# KiCad board chonky.kicad_pcb
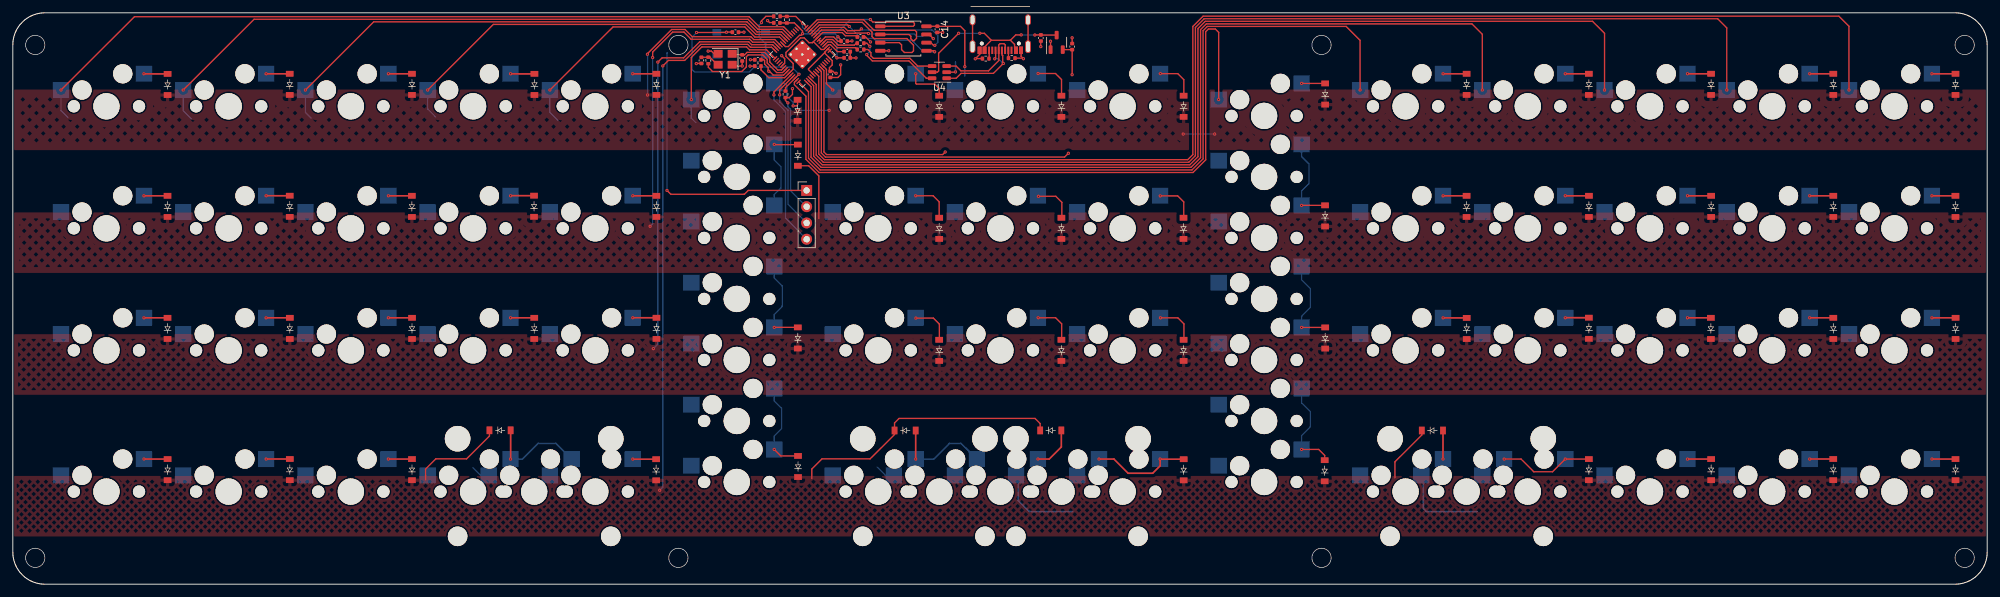
[diagram p0: board, top side]
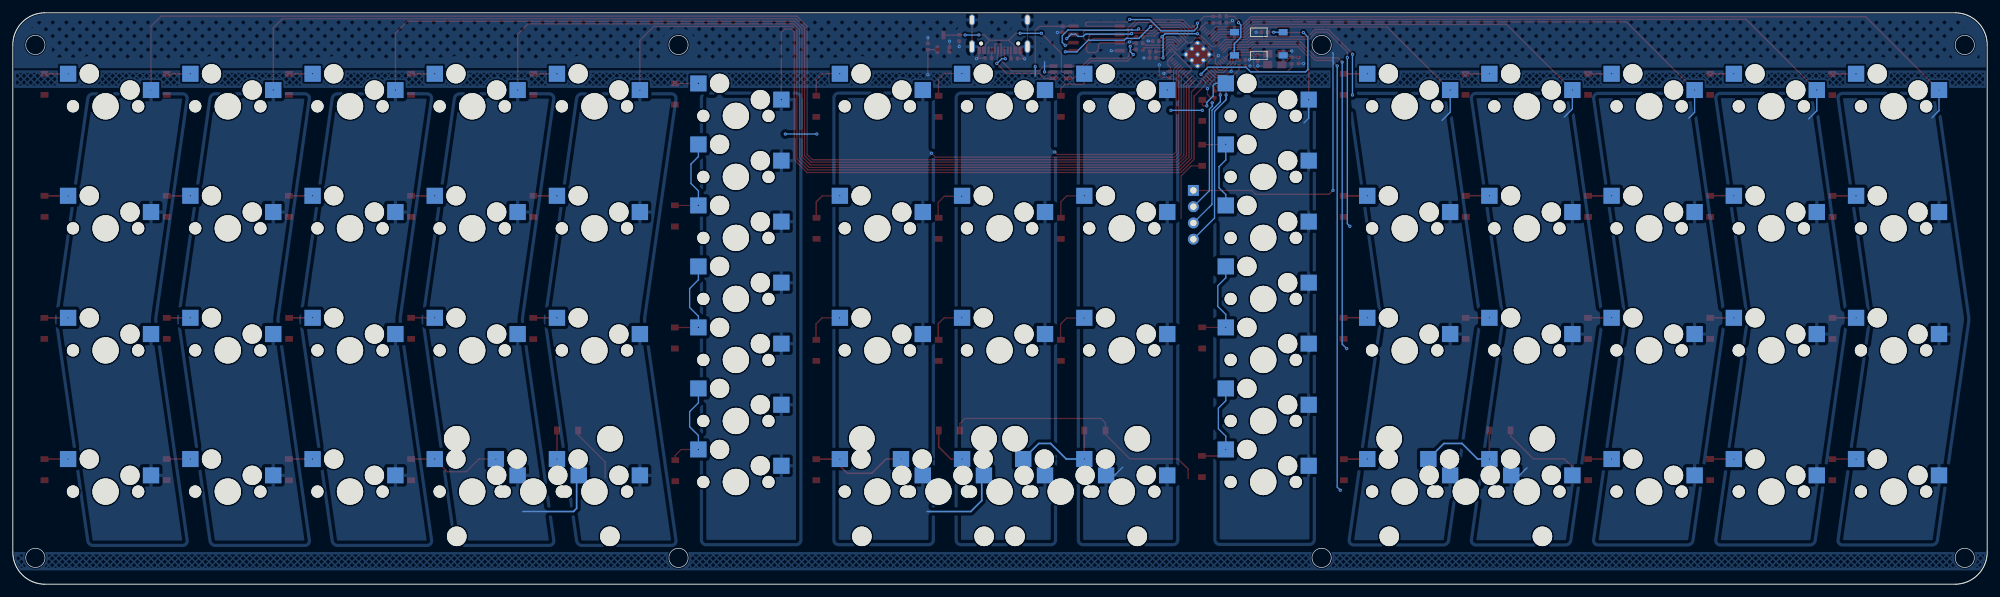
[diagram p1: board, bottom side, seen from below]

Outline 307.75 x 89.2 mm; copper layers: Top, Bottom. Coordinates in mm from the lower left corner of the outline.
Outline path: circle c3.49,84.18 r1.5 ; circle c3.49,4.11 r1.5 ; circle c103.74,84.18 r1.5 ; circle c103.74,4.11 r1.5 ; circle c203.99,84.18 r1.5 ; circle c203.99,4.11 r1.5 ; circle c304.24,84.18 r1.5 ; circle c304.24,4.11 r1.5 ; 0,84.2 0,5 0.01,4.74 0.03,4.49 0.06,4.24 0.1,3.99 0.16,3.75 0.23,3.52 0.3,3.28 0.39,3.06 0.49,2.83 0.6,2.62 0.73,2.41 0.86,2.21 0.99,2.01 1.14,1.82 1.3,1.64 1.47,1.47 1.64,1.3 1.82,1.14 2.01,0.99 2.21,0.86 2.41,0.73 2.62,0.6 2.83,0.49 3.06,0.39 3.28,0.3 3.52,0.23 3.75,0.16 3.99,0.1 4.24,0.06 4.49,0.03 4.74,0.01 5,0 302.75,0 303.01,0.01 303.26,0.03 303.51,0.06 303.76,0.1 304,0.16 304.23,0.23 304.47,0.3 304.69,0.39 304.92,0.49 305.13,0.6 305.34,0.73 305.54,0.86 305.74,0.99 305.93,1.14 306.11,1.3 306.28,1.47 306.45,1.64 306.61,1.82 306.76,2.01 306.89,2.21 307.02,2.41 307.15,2.62 307.26,2.83 307.36,3.06 307.45,3.28 307.52,3.52 307.59,3.75 307.65,3.99 307.69,4.24 307.72,4.49 307.74,4.74 307.75,5 307.75,84.2 307.74,84.46 307.72,84.71 307.69,84.96 307.65,85.21 307.59,85.45 307.52,85.68 307.45,85.92 307.36,86.14 307.26,86.36 307.15,86.58 307.02,86.79 306.89,86.99 306.76,87.19 306.61,87.38 306.45,87.56 306.28,87.73 306.11,87.9 305.93,88.06 305.74,88.2 305.54,88.34 305.34,88.47 305.13,88.59 304.92,88.71 304.69,88.81 304.47,88.9 304.23,88.97 304,89.04 303.76,89.1 303.51,89.14 303.26,89.17 303.01,89.19 302.75,89.2 5,89.2 4.74,89.19 4.49,89.17 4.24,89.14 3.99,89.1 3.75,89.04 3.52,88.97 3.28,88.9 3.06,88.81 2.83,88.71 2.62,88.59 2.41,88.47 2.21,88.34 2.01,88.2 1.82,88.06 1.64,87.9 1.47,87.73 1.3,87.56 1.14,87.38 0.99,87.19 0.86,86.99 0.73,86.79 0.6,86.58 0.49,86.36 0.39,86.14 0.3,85.92 0.23,85.68 0.16,85.45 0.1,85.21 0.06,84.96 0.03,84.71 0.01,84.46 0,84.2
Stack: Top 0.035mm / dielectric 1.51mm FR4 er 4.5 / Bottom 0.035mm

## Placement (name value [footprint] x y rotation side)
C1  27pF  [C_0402_1005Metric]  113.69 82.16 90 top
C2  27pF  [C_0402_1005Metric]  107.33 81.77 90 top
C3  100nF  [C_0402_1005Metric]  112.63 86.17 0 top
C4  100nF  [C_0402_1005Metric]  116.13 80.87 180 top
C5  100nF  [C_0402_1005Metric]  132.11 85.43 0 top
C6  1uF  [C_0402_1005Metric]  130.05 83.14 0 top
C7  1uF  [C_0402_1005Metric]  130.05 82.17 0 top
C8  100nF  [C_0402_1005Metric]  127.43 79.58 270 top
C9  100nF  [C_0402_1005Metric]  129.58 84.77 0 top
C10  100nF  [C_0402_1005Metric]  119.09 87.63 180 top
C11  100nF  [C_0402_1005Metric]  116.13 81.87 180 top
C12  1uF  [C_0402_1005Metric]  160.24 85.27 270 top
C13  1uF  [C_0402_1005Metric]  165.12 83.92 90 top
C14  100nF  [C_0402_1005Metric]  144.11 86.62 270 top
D1  D  [D_SOD-123]  24.12 78.01 90 top
D2  D  [D_SOD-123]  24.11 58.98 90 top
D3  D  [D_SOD-123]  24.11 39.93 90 top
D4  D  [D_SOD-123]  24.12 17.88 90 top
D5  D  [D_SOD-123]  43.16 78.03 90 top
D6  D  [D_SOD-123]  43.16 58.99 90 top
D7  D  [D_SOD-123]  43.17 39.93 90 top
D8  D  [D_SOD-123]  43.17 17.89 90 top
D9  D  [D_SOD-123]  62.21 78.03 90 top
D10  D  [D_SOD-123]  62.2 58.98 90 top
D11  D  [D_SOD-123]  62.22 39.93 90 top
D12  D  [D_SOD-123]  62.21 17.88 90 top
D13  D  [D_SOD-123]  81.3 78.02 90 top
D14  D  [D_SOD-123]  81.24 59 90 top
D15  D  [D_SOD-123]  81.27 39.93 90 top
D16  D  [D_SOD-123]  75.94 24.02 0 top
D17  D  [D_SOD-123]  100.31 78.03 90 top
D18  D  [D_SOD-123]  100.31 58.98 90 top
D19  D  [D_SOD-123]  100.32 39.94 90 top
D20  D  [D_SOD-123]  100.27 17.86 90 top
D21  D  [D_SOD-123]  122.32 73.97 90 top
D22  D  [D_SOD-123]  122.36 66.97 90 top
D23  D  [D_SOD-123]  122.35 38.44 90 top
D24  D  [D_SOD-123]  122.39 18.37 90 top
D25  D  [D_SOD-123]  144.39 74.61 90 top
D26  D  [D_SOD-123]  144.39 55.56 90 top
D27  D  [D_SOD-123]  144.39 36.51 90 top
D28  D  [D_SOD-123]  139.08 23.99 0 top
D29  D  [D_SOD-123]  163.44 74.61 90 top
D30  D  [D_SOD-123]  163.44 55.56 90 top
D31  D  [D_SOD-123]  163.44 36.51 90 top
D32  D  [D_SOD-123]  161.78 24 0 top
D33  D  [D_SOD-123]  182.49 74.61 90 top
D34  D  [D_SOD-123]  182.47 55.56 90 top
D35  D  [D_SOD-123]  182.49 36.51 90 top
D36  D  [D_SOD-123]  182.5 17.86 90 top
D37  D  [D_SOD-123]  204.55 76.52 90 top
D38  D  [D_SOD-123]  204.54 57.49 90 top
D39  D  [D_SOD-123]  204.56 38.43 90 top
D40  D  [D_SOD-123]  204.48 17.71 90 top
D41  D  [D_SOD-123]  226.61 78.03 90 top
D42  D  [D_SOD-123]  226.6 58.98 90 top
D43  D  [D_SOD-123]  226.62 39.92 90 top
D44  D  [D_SOD-123]  221.27 23.99 0 top
D45  D  [D_SOD-123]  245.66 78.03 90 top
D46  D  [D_SOD-123]  245.67 58.98 90 top
D47  D  [D_SOD-123]  245.66 39.95 90 top
D48  D  [D_SOD-123]  245.66 17.88 90 top
D49  D  [D_SOD-123]  264.71 78.03 90 top
D50  D  [D_SOD-123]  264.72 58.98 90 top
D51  D  [D_SOD-123]  264.68 39.93 90 top
D52  D  [D_SOD-123]  264.72 17.88 90 top
D53  D  [D_SOD-123]  283.76 78.03 90 top
D54  D  [D_SOD-123]  283.76 58.98 90 top
D55  D  [D_SOD-123]  283.76 39.93 90 top
D56  D  [D_SOD-123]  283.75 17.89 90 top
D57  D  [D_SOD-123]  302.81 78.03 90 top
D58  D  [D_SOD-123]  302.8 58.98 90 top
D59  D  [D_SOD-123]  302.82 39.93 90 top
D60  D  [D_SOD-123]  302.81 17.88 90 top
J1  BL_CONN  [PinHeader_1x04_P2.54mm_Vertical]  123.73 61.47 0 top
J2  USB_C_Receptacle_USB2.0  [USB C-31-M-12]  153.92 84.41 180 top
R1  1k  [R_0402_1005Metric]  120.43 76.47 90 top
R2  1k  [R_0402_1005Metric]  108.41 81.76 270 top
R3  27R  [R_0402_1005Metric]  132.13 84.45 0 top
R4  27R  [R_0402_1005Metric]  132.13 83.47 0 top
R5  1k  [R_0402_1005Metric]  119.1 88.65 180 top
R6  10k  [R_0402_1005Metric]  120.64 88.12 270 top
R7  5.1k  [R_0402_1005Metric]  155.7 82.12 0 top
R8  5.1k  [R_0402_1005Metric]  151.64 82.05 180 top
SW1  SW_Push  [Micro_Push_Button_3x6x2.5mm]  113.53 86.17 180 bottom
SW2  SW_Push  [CherryMX_Hotswap]  14.59 74.61 0 top
SW3  SW_Push  [CherryMX_Hotswap]  14.59 55.56 0 top
SW4  SW_Push  [CherryMX_Hotswap]  14.59 36.51 0 top
SW5  SW_Push  [CherryMX_Hotswap]  14.59 14.46 0 top
SW6  SW_Push  [CherryMX_Hotswap]  33.64 74.61 0 top
SW7  SW_Push  [CherryMX_Hotswap]  33.64 55.56 0 top
SW8  SW_Push  [CherryMX_Hotswap]  33.64 36.51 0 top
SW9  SW_Push  [CherryMX_Hotswap]  33.64 14.46 0 top
SW10  SW_Push  [CherryMX_Hotswap]  52.69 74.61 0 top
SW11  SW_Push  [CherryMX_Hotswap]  52.69 55.56 0 top
SW12  SW_Push  [CherryMX_Hotswap]  52.69 36.51 0 top
SW13  SW_Push  [CherryMX_Hotswap]  52.69 14.46 0 top
SW14  SW_Push  [CherryMX_Hotswap]  71.74 74.61 0 top
SW15  SW_Push  [CherryMX_Hotswap]  71.74 55.56 0 top
SW16  SW_Push  [CherryMX_Hotswap]  71.74 36.51 0 top
SW17  SW_Push  [CherryMX_Hotswap]  71.74 14.46 0 top
SW18  SW_Push  [CherryMX_Hotswap_2u_stabs]  81.27 14.46 0 top
SW19  SW_Push  [CherryMX_Hotswap]  90.79 74.61 0 top
SW20  SW_Push  [CherryMX_Hotswap]  90.79 55.56 0 top
SW21  SW_Push  [CherryMX_Hotswap]  90.79 36.51 0 top
SW22  SW_Push  [CherryMX_Hotswap]  90.79 14.46 0 top
SW23  SW_Push  [CherryMX_Hotswap]  112.84 73.11 0 top
SW24  SW_Push  [CherryMX_Hotswap]  112.84 54.06 0 top
SW25  SW_Push  [CherryMX_Hotswap]  112.84 35.01 0 top
SW26  SW_Push  [CherryMX_Hotswap]  112.84 15.96 0 top
SW27  SW_Push  [CherryMX_Hotswap]  134.89 74.61 0 top
SW28  SW_Push  [CherryMX_Hotswap]  134.89 55.56 0 top
SW29  SW_Push  [CherryMX_Hotswap]  134.89 36.51 0 top
SW30  SW_Push  [CherryMX_Hotswap]  134.89 14.46 0 top
SW31  SW_Push  [CherryMX_Hotswap_2u_stabs]  144.42 14.46 0 top
SW32  SW_Push  [CherryMX_Hotswap]  153.94 74.61 0 top
SW33  SW_Push  [CherryMX_Hotswap]  153.94 55.56 0 top
SW34  SW_Push  [CherryMX_Hotswap]  153.94 36.51 0 top
SW35  SW_Push  [CherryMX_Hotswap]  153.94 14.46 0 top
SW36  SW_Push  [CherryMX_Hotswap]  172.99 74.61 0 top
SW37  SW_Push  [CherryMX_Hotswap]  172.99 55.56 0 top
SW38  SW_Push  [CherryMX_Hotswap]  172.99 36.51 0 top
SW39  SW_Push  [CherryMX_Hotswap]  172.99 14.46 0 top
SW40  SW_Push  [CherryMX_Hotswap_2u_stabs]  163.47 14.46 0 top
SW41  SW_Push  [Micro_Push_Button_3x6x2.5mm]  113.53 82.55 0 bottom
SW42  SW_Push  [CherryMX_Hotswap]  195.04 73.11 0 top
SW43  SW_Push  [CherryMX_Hotswap]  195.04 54.06 0 top
SW44  SW_Push  [CherryMX_Hotswap]  195.04 35.01 0 top
SW45  SW_Push  [CherryMX_Hotswap]  195.04 15.96 0 top
SW46  SW_Push  [CherryMX_Hotswap]  217.09 74.61 0 top
SW47  SW_Push  [CherryMX_Hotswap]  217.09 55.56 0 top
SW48  SW_Push  [CherryMX_Hotswap]  217.09 36.51 0 top
SW49  SW_Push  [CherryMX_Hotswap]  217.09 14.46 0 top
SW50  SW_Push  [CherryMX_Hotswap]  236.14 74.61 0 top
SW51  SW_Push  [CherryMX_Hotswap]  236.14 55.56 0 top
SW52  SW_Push  [CherryMX_Hotswap]  236.14 36.51 0 top
SW53  SW_Push  [CherryMX_Hotswap]  236.14 14.46 0 top
SW54  SW_Push  [CherryMX_Hotswap_2u_stabs]  226.62 14.46 0 top
SW55  SW_Push  [CherryMX_Hotswap]  255.19 74.61 0 top
SW56  SW_Push  [CherryMX_Hotswap]  255.19 55.56 0 top
SW57  SW_Push  [CherryMX_Hotswap]  255.19 36.51 0 top
SW58  SW_Push  [CherryMX_Hotswap]  255.19 14.46 0 top
SW59  SW_Push  [CherryMX_Hotswap]  274.24 74.61 0 top
SW60  SW_Push  [CherryMX_Hotswap]  274.24 55.56 0 top
SW61  SW_Push  [CherryMX_Hotswap]  274.24 36.51 0 top
SW62  SW_Push  [CherryMX_Hotswap]  274.24 14.46 0 top
SW63  SW_Push  [CherryMX_Hotswap]  293.29 74.61 0 top
SW64  SW_Push  [CherryMX_Hotswap]  293.29 55.56 0 top
SW65  SW_Push  [CherryMX_Hotswap]  293.29 36.51 0 top
SW66  SW_Push  [CherryMX_Hotswap]  293.29 14.46 0 top
SW67  SW_Push  [CherryMX_Hotswap_2u_vert]  112.84 63.58 180 top
SW68  SW_Push  [CherryMX_Hotswap_2u_vert]  112.84 44.53 180 top
SW69  SW_Push  [CherryMX_Hotswap_2u_vert]  112.84 25.48 180 top
SW70  SW_Push  [CherryMX_Hotswap_2u_vert]  195.04 63.58 180 top
SW71  SW_Push  [CherryMX_Hotswap_2u_vert]  195.04 44.53 180 top
SW72  SW_Push  [CherryMX_Hotswap_2u_vert]  195.04 25.48 180 top
U1  RP2040  [RP2040-QFN-56]  123.07 82.69 315 top
U2  XC6206PxxxMR  [SOT-23-3]  162.7 84.59 90 top
U3  W25Q128JVS  [SOIC-8_5.23x5.23mm_P1.27mm]  138.81 85.18 0 top
U4  USBLC6-2SC6  [SOT-23-6]  144.42 79.93 180 top
Y1  Crystal_GND24_Small  [Crystal_SMD_3225-4Pin_3.2x2.5mm]  111.03 81.95 180 top

## Library data of the parts
C1-C14 = -: Description: Unpolarized capacitor, small symbol
D1-D60 = -: Description: Diode, small symbol; Sim.Pins: 1=K 2=A
J1 = -: Description: Generic connector, single row, 01x04, script generated (kicad-library-utils/schlib/autogen/connector/)
J2 = -: Description: USB 2.0-only Type-C Receptacle connector
R1-R8 = -: Description: Resistor, small symbol
SW1-SW72 = -: Description: Push button switch, generic, two pins
U2 = -: Description: Positive 60-250mA Low Dropout Regulator, Fixed Output, SOT-23
U3 = -: Description: 128Mb Serial Flash Memory, Standard/Dual/Quad SPI, SOIC-8
U4 = -: Description: Very low capacitance ESD protection diode, 2 data-line, SOT-23-6
Y1 = -: Description: Four pin crystal, GND on pins 2 and 4, small symbol

## Footprints (pads in the part's own frame, mm; a bottom-side part is the same pattern mirrored in y, then rotated)
C_0402_1005Metric
  rrect 0.56x0.62 smd: 1(-0.48,0) 2(0.48,0)
CherryMX_Hotswap
  round 1.9 hole 1.9 unplated: (-5.08,0) (5.08,0)
  round 3 hole 3 unplated: (-3.81,2.54) (2.54,5.08)
  round 4.1 hole 4.1 unplated: (0,0)
  rect 2.55x2.5 smd far side: 1(-7.085,2.54) 2(5.842,5.08)
CherryMX_Hotswap_2u_stabs
  round 3.988 hole 3.988 unplated: (-11.938,8.255) (11.938,8.255)
  round 3.048 hole 3.048 unplated: (-11.938,-6.985) (11.938,-6.985)
  round 1.9 hole 1.9 unplated: (-5.08,0) (5.08,0)
  round 3 hole 3 unplated: (-3.81,2.54) (2.54,5.08)
  round 4.1 hole 4.1 unplated: (0,0)
  rect 2.55x2.5 smd far side: 1(-7.085,2.54) 2(5.842,5.08)
CherryMX_Hotswap_2u_vert
  round 1.9 hole 1.9 unplated: (-5.08,0) (5.08,0)
  round 3 hole 3 unplated: (-2.54,-5.08) (3.81,-2.54)
  round 4.1 hole 4.1 unplated: (0,0)
  rect 2.55x2.5 smd far side: 1(7.085,-2.54) 2(-5.842,-5.08)
Crystal_SMD_3225-4Pin_3.2x2.5mm
  rect 1.4x1.2 smd: 1(-1.1,-0.85) 2(1.1,-0.85) 3(1.1,0.85) 4(-1.1,0.85)
D_SOD-123
  rect 0.9x1.2 smd: 1(-1.65,0) 2(1.65,0)
Micro_Push_Button_3x6x2.5mm
  rect 1.4x1 smd: 1(-3.8,0) 2(3.8,0)
PinHeader_1x04_P2.54mm_Vertical
  rect 1.7x1.7 hole 1: 1(0,0)
  oval 1.7x1.7 hole 1: 2(0,-2.54) 3(0,-5.08) 4(0,-7.62)
R_0402_1005Metric
  rrect 0.54x0.64 smd: 1(-0.51,0) 2(0.51,0)
RP2040-QFN-56
  rrect 1.084x1.084 smd: (-0.637,0.637) (-0.637,-0.637) (0.637,0.637) (0.637,-0.637)
  rrect 0.875x0.2 smd: 1(-3.438,2.6) 2(-3.438,2.2) 3(-3.438,1.8) 4(-3.438,1.4) 5(-3.438,1) 6(-3.438,0.6) 7(-3.438,0.2) 8(-3.438,-0.2) 9(-3.438,-0.6) 10(-3.438,-1) 11(-3.438,-1.4) 12(-3.438,-1.8) 13(-3.438,-2.2) 14(-3.438,-2.6) 29(3.438,-2.6) 30(3.438,-2.2) 31(3.438,-1.8) 32(3.438,-1.4) 33(3.438,-1) 34(3.438,-0.6) 35(3.438,-0.2) 36(3.438,0.2) 37(3.438,0.6) 38(3.438,1) 39(3.438,1.4) 40(3.438,1.8) 41(3.438,2.2) 42(3.438,2.6)
  rrect 0.2x0.875 smd: 15(-2.6,-3.438) 16(-2.2,-3.438) 17(-1.8,-3.438) 18(-1.4,-3.438) 19(-1,-3.438) 20(-0.6,-3.438) 21(-0.2,-3.438) 22(0.2,-3.438) 23(0.6,-3.438) 24(1,-3.438) 25(1.4,-3.438) 26(1.8,-3.438) 27(2.2,-3.438) 28(2.6,-3.438) 43(2.6,3.438) 44(2.2,3.438) 45(1.8,3.438) 46(1.4,3.438) 47(1,3.438) 48(0.6,3.438) 49(0.2,3.438) 50(-0.2,3.438) 51(-0.6,3.438) 52(-1,3.438) 53(-1.4,3.438) 54(-1.8,3.438) 55(-2.2,3.438) 56(-2.6,3.438)
  round 0.7 hole 0.35: 57(-1.275,1.275) 57(-1.275,0) 57(-1.275,-1.275) 57(0,1.275) 57(0,0) 57(0,-1.275) 57(1.275,1.275) 57(1.275,0) 57(1.275,-1.275)
  rrect 3.2x3.2 smd: 57(0,0)
SOIC-8_5.23x5.23mm_P1.27mm
  rrect 1.6x0.6 smd: 1(-3.6,1.905) 2(-3.6,0.635) 3(-3.6,-0.635) 4(-3.6,-1.905) 5(3.6,-1.905) 6(3.6,-0.635) 7(3.6,0.635) 8(3.6,1.905)
SOT-23-3
  rrect 1.325x0.6 smd: 1(-1.137,0.95) 2(-1.137,-0.95) 3(1.137,0)
SOT-23-6
  rrect 1.325x0.6 smd: 1(-1.137,0.95) 2(-1.137,0) 3(-1.137,-0.95) 4(1.137,-0.95) 5(1.137,0) 6(1.137,0.95)
USB C-31-M-12
  round 0.6 hole 0.6 unplated: (-2.89,0) (2.89,0)
  rect 0.6x1.15 smd: A1(-3.225,1.07) A4(-2.45,1.07) A9(2.45,1.07) A12(3.225,1.07) B1(3.225,1.07) B4(2.45,1.07) B9(-2.45,1.07) B12(-3.225,1.07)
  rect 0.3x1.15 smd: A5(-1.25,1.07) A6(-0.25,1.07) A7(0.25,1.07) A8(1.25,1.07) B5(1.75,1.07) B6(0.75,1.07) B7(-0.75,1.07) B8(-1.75,1.07)
  oval 0.9x2 hole 0.6x1.7: S1(-4.325,0.5) S1(4.325,0.5)
  oval 0.9x1.7 hole 0.6x1.4: S1(-4.325,-3.68) S1(4.325,-3.68)

## Nets
+1V1: C4.1 C5.1 C6.1 U1.23 U1.45 U1.50
+3.3V: C7.1 C8.1 C9.1 C10.1 C11.1 C13.1 C14.1 J1.2 R1.1 R6.2 U1.1 U1.10 U1.22 U1.33 U1.42 U1.43 U1.44 U1.48 U1.49 U2.2 U3.8
GND: C1.1 C2.1 C3.2 C4.2 C5.2 C6.2 C7.2 C8.2 C9.2 C10.2 C11.2 C12.2 C13.2 C14.2 J1.1 J2.A1 J2.A12 J2.B1 J2.B12 J2.S1 R7.2 R8.2 SW1.1 SW41.1 U1.19 U1.57 U2.1 U3.4 U4.2 Y1.2 Y1.4
VBUS: C12.1 J2.A4 J2.A9 J2.B4 J2.B9 U2.3 U4.5
Col_0: SW2.1 SW3.1 SW4.1 SW5.1 U1.5
Col_1: SW6.1 SW7.1 SW8.1 SW9.1 U1.6
Col_2: SW10.1 SW11.1 SW12.1 SW13.1 U1.7
Col_3: SW14.1 SW15.1 SW16.1 SW17.1 SW18.1 U1.8
Col_4: SW19.1 SW20.1 SW21.1 SW22.1 U1.9
Col_5: SW23.1 SW24.1 SW25.1 SW26.1 SW67.1 SW68.1 SW69.1 U1.15
Col_6: SW27.1 SW28.1 SW29.1 SW30.1 SW31.1 U1.38
Col_7: SW32.1 SW33.1 SW34.1 SW35.1 U1.37
Col_8: SW36.1 SW37.1 SW38.1 SW39.1 SW40.1 U1.36
Col_9: SW42.1 SW43.1 SW44.1 SW45.1 SW70.1 SW71.1 SW72.1 U1.27
Col_10: SW46.1 SW47.1 SW48.1 SW49.1 U1.28
Col_11: SW50.1 SW51.1 SW52.1 SW53.1 SW54.1 U1.29
Col_12: SW55.1 SW56.1 SW57.1 SW58.1 U1.30
Col_13: SW59.1 SW60.1 SW61.1 SW62.1 U1.31
Col_14: SW63.1 SW64.1 SW65.1 SW66.1 U1.34
D+: R3.2 U4.6
D-: R4.2 U4.4
QSPI_SCLK: U1.52 U3.6
QSPI_SD0: U1.53 U3.5
QSPI_SD1: U1.55 U3.2
QSPI_SD2: U1.54 U3.3
QSPI_SD3: U1.51 U3.7
QSPI_SS: R5.1 R6.1 U1.56 U3.1
Row_0: D1.1 D5.1 D9.1 D13.1 D17.1 D21.1 D25.1 D29.1 D33.1 D37.1 D41.1 D45.1 D49.1 D53.1 D57.1 U1.11
Row_1: D2.1 D6.1 D10.1 D14.1 D18.1 D22.1 D26.1 D30.1 D34.1 D38.1 D42.1 D46.1 D50.1 D54.1 D58.1 U1.12
Row_2: D3.1 D7.1 D11.1 D15.1 D19.1 D23.1 D27.1 D31.1 D35.1 D39.1 D43.1 D47.1 D51.1 D55.1 D59.1 U1.13
Row_3: D4.1 D8.1 D12.1 D16.1 D20.1 D24.1 D28.1 D32.1 D36.1 D40.1 D44.1 D48.1 D52.1 D56.1 D60.1 U1.14
Net-(C2-Pad2): C2.2 R2.1 Y1.3
Net-(D1-A): D1.2 SW2.2
Net-(D2-A): D2.2 SW3.2
Net-(D3-A): D3.2 SW4.2
Net-(D4-A): D4.2 SW5.2
Net-(D5-A): D5.2 SW6.2
Net-(D6-A): D6.2 SW7.2
Net-(D7-A): D7.2 SW8.2
Net-(D8-A): D8.2 SW9.2
Net-(D9-A): D9.2 SW10.2
Net-(D10-A): D10.2 SW11.2
Net-(D11-A): D11.2 SW12.2
Net-(D12-A): D12.2 SW13.2
Net-(D13-A): D13.2 SW14.2
Net-(D14-A): D14.2 SW15.2
Net-(D15-A): D15.2 SW16.2
Net-(D16-A): D16.2 SW17.2 SW18.2
Net-(D17-A): D17.2 SW19.2
Net-(D18-A): D18.2 SW20.2
Net-(D19-A): D19.2 SW21.2
Net-(D20-A): D20.2 SW22.2
Net-(D21-A): D21.2 SW23.2
Net-(D22-A): D22.2 SW24.2 SW67.2
Net-(D23-A): D23.2 SW25.2 SW68.2
Net-(D24-A): D24.2 SW26.2 SW69.2
Net-(D25-A): D25.2 SW27.2
Net-(D26-A): D26.2 SW28.2
Net-(D27-A): D27.2 SW29.2
Net-(D28-A): D28.2 SW30.2 SW31.2
Net-(D29-A): D29.2 SW32.2
Net-(D30-A): D30.2 SW33.2
Net-(D31-A): D31.2 SW34.2
Net-(D32-A): D32.2 SW35.2
Net-(D33-A): D33.2 SW36.2
Net-(D34-A): D34.2 SW37.2
Net-(D35-A): D35.2 SW38.2
Net-(D36-A): D36.2 SW39.2 SW40.2
Net-(D37-A): D37.2 SW42.2
Net-(D38-A): D38.2 SW43.2 SW70.2
Net-(D39-A): D39.2 SW44.2 SW71.2
Net-(D40-A): D40.2 SW45.2 SW72.2
Net-(D41-A): D41.2 SW46.2
Net-(D42-A): D42.2 SW47.2
Net-(D43-A): D43.2 SW48.2
Net-(D44-A): D44.2 SW49.2
Net-(D45-A): D45.2 SW50.2
Net-(D46-A): D46.2 SW51.2
Net-(D47-A): D47.2 SW52.2
Net-(D48-A): D48.2 SW53.2 SW54.2
Net-(D49-A): D49.2 SW55.2
Net-(D50-A): D50.2 SW56.2
Net-(D51-A): D51.2 SW57.2
Net-(D52-A): D52.2 SW58.2
Net-(D53-A): D53.2 SW59.2
Net-(D54-A): D54.2 SW60.2
Net-(D55-A): D55.2 SW61.2
Net-(D56-A): D56.2 SW62.2
Net-(D57-A): D57.2 SW63.2
Net-(D58-A): D58.2 SW64.2
Net-(D59-A): D59.2 SW65.2
Net-(D60-A): D60.2 SW66.2
Net-(J1-Pin_3): J1.3 U1.25
Net-(J1-Pin_4): J1.4 U1.24
Net-(J2-CC1): J2.A5 R7.1
Net-(J2-CC2): J2.B5 R8.1
Net-(J2-D+-PadA6): J2.A6 J2.B6 U4.1
Net-(J2-D--PadA7): J2.A7 J2.B7 U4.3
Net-(R5-Pad2): R5.2 SW41.2
Net-(U1-RUN): C3.1 R1.2 SW1.2 U1.26
Net-(U1-USB_DM): R4.1 U1.46
Net-(U1-USB_DP): R3.1 U1.47
Net-(U1-XIN): C1.2 U1.20 Y1.1
Net-(U1-XOUT): R2.2 U1.21

Pads without a net: J2 A8 B8; U1 2 3 4 16 17 18 32 35 39 40 41

## Via types
v1: diameter 0.5, hole 0.2, Top to Bottom, 141 vias

## Routing (per net, layer and track width the routed paths; a pad name or vN(x,y) marks a point on that pad's centre or on a via; arc(x,y) is an arc through that point)
+1V1: length 29.1
  Top w0.2: C5.1 131.45,85.61 129.78,85.61 129.28,86.11 126.21,86.11 U1.50 124.79,84.69 ; C4.1 116.61,80.29 117.83,79.07 120.3,79.07 U1.23 121.63,80.41 121.63,81.29 120.51,82.41 120.51,83.01 122.78,85.28 123.35,85.28 124.1,84.53 124.63,84.53 124.79,84.69 ; 124.79,84.69 126.01,83.47 126.4,83.47 U1.45 127.15,84.23 127.44,84.23 128.53,83.14 C6.1
+3.3V: length 81.4
  Top w0.2: 142.44,87.09 143.81,87.09 143.81,87.1 143.82,87.08 147.71,87.08 148.38,86.41 v1(148.38,80.79) ; U1.49 U1.48 126.66,85.43 127.95,85.43 128.63,84.74 129.1,84.74 129.1,84.97 v1(128.61,85.46) ; v1(120.81,75.14) 120.43,75.52 R1.1 121.02,75.96 121.53,76.46 v1(121.53,77.36) ; C10.1 121.82,87.63 U1.1 123.09,86.35 v1(123.09,85.93) 122.84,85.68 122.62,85.68 120.87,83.93 120.42,83.93 U1.10 ; 126.57,83 126.57,83.07 U1.44 v1(128.46,82.17) C7.1 ; 126.57,83 124.02,80.46 124.02,80.33 U1.33 ; 126.57,83 126.57,82.88 U1.42 127.72,81.72 127.72,81.07 127.28,80.63 127.28,80.06 127.84,80.06 128.15,79.75 ; U1.22 120.14,79.47 118.53,79.47 117.93,80.07 v1(117.83,80.07) 117.83,80.17 117.73,80.27 117.73,80.64 117.18,81.19 117.18,81.72 117.03,81.87 C11.1 ; v1(165.11,79.54) 165.12,79.55 C13.1 165.12,83.45 U2.2
  Bottom w0.2: v1(120.81,75.14) 120.81,74.58 121.23,74.15 121.23,61.43 J1.2 ; v1(123.09,85.93) 128.15,85.93 v1(128.61,85.46) 128.46,85.31 v1(128.46,82.17) ; v1(148.38,80.79) 148.38,79.31
  vias: v1(128.33,79.75)
GND: length 84.5
  Top w0.2: 107.55,81.3 106.56,81.3 v1(106.53,81.27) ; U2.1 161.75,84.75 v1(161.74,84.76) ; Y1.4 112.34,80.89 v1(113.7,80.89) 113.69,80.9 C1.1 ; v1(129.03,81.07) 129.03,79.53 128.6,79.1 127.28,79.1 ; 143.81,86.14 v1(144.94,86.14) ; J2.S1 J2.S1 ; 110.16,82.65 109.45,82.65 108.88,83.22 v1(108.38,83.22) ; v1(101.97,61.47) 102.57,60.87 114.03,60.87 114.63,61.47 J1.1 ; U1.19 120.31,81.35 120.31,82.03 v1(119.84,82.5) ; 160.22,84.77 160.22,83.93 ; 150.72,83.4 150.72,82.72 v1(150.02,82.02) 150.05,82.05 R8.2 ; 113.11,86.17 v1(113.96,86.17) ; v1(131.42,82.15) 130.55,82.15 C7.2 C6.2 ; C4.2 v1(114.91,80.87) ; 130.06,84.74 130.72,84.74 v1(130.79,84.81) ; v1(136.53,83.28) 136.52,83.27 135.28,83.27 ; 118.61,87.67 117.95,87.67 v1(117.64,87.98) ; J2.S1 J2.S1 ; U4.2 146.89,79.93 v1(146.93,79.97) ; v1(165.11,85.3) 165.12,85.29 C13.2 ; C11.2 v1(114.97,81.87) ; 157.17,83.4 157.17,82.39 v1(157.52,82.03) 157.43,82.12 R7.2 ; C5.2 132.91,85.43 v1(133.69,84.65)
  Bottom w0.2: v1(146.93,79.97) 146.93,81.57 ; v1(101.97,61.47) 101.97,82.9 102.03,82.97
  vias: v1(160.23,83.92)
VBUS: length 28.2
  Top w0.2: v1(150.73,86) 151.42,86 152.51,84.91 ; C12.1 159.32,85.75 v1(159.3,85.73) ; 156.39,83.4 156.14,83.65 156.14,84.27 155.5,84.91 ; 152.51,84.91 151.49,83.89 151.49,83.4 ; 152.51,84.91 155.5,84.91 ; v1(157.18,85.75) 156.33,85.75 155.5,84.92 155.5,84.91 ; U4.5 144.11,79.93 144.3,80.12 144.3,82.88 v1(147.42,86) ; 160.21,85.72 U2.3
  Bottom w0.2: v1(150.73,86) v1(147.42,86) ; v1(157.18,85.75) 157.2,85.73 v1(159.3,85.73)
Col_0: length 124.5
  Top w0.2: U1.5 120.16,87.02 116.33,87.02 114.76,88.59 18.95,88.59 v1(7.51,77.15)
  Bottom w0.2: v1(7.51,77.15) 7.51,73.93 8.62,72.81
Col_1: length 105.2
  Top w0.2: v1(26.56,77.15) 37.6,88.19 114.59,88.19 116.16,86.62 120,86.62 U1.6
  Bottom w0.2: v1(26.56,77.15) 26.56,73.92 27.85,72.62
Col_2: length 85.4
  Top w0.2: v1(45.61,77.15) 56.25,87.79 114.43,87.79 116,86.22 119.83,86.22 U1.7
  Bottom w0.2: 46.52,72.75 45.61,73.67 v1(45.61,77.15)
Col_3: length 68.8
  Top w0.2: U1.8 119.67,85.82 115.83,85.82 114.26,87.39 74.9,87.39 v1(64.66,77.15)
  Bottom w0.2: 71.73,18.17 72.91,17 SW18.1 ; v1(64.66,77.15) 64.66,74.19 65.93,72.91
Col_4: length 46.8
  Top w0.2: v1(83.71,77.15) 93.55,86.99 114.1,86.99 115.67,85.42 119.5,85.42 U1.9
  Bottom w0.2: 84.99,72.39 83.71,73.68 v1(83.71,77.15)
Col_5: length 25
  Top w0.2: U1.15 117.49,83.42 114.82,83.42 114.37,83.87 107.4,83.87 105.76,82.23 v1(105.76,75.65)
  Bottom w0.2: v1(105.76,75.65) 105.76,72.76 106.48,72.03
Col_6: length 7.6
  Top w0.2: U1.38 126.82,80.36 126.82,78.13 v1(127.81,77.15)
  Bottom w0.2: 134.73,18.27 136.01,17 SW31.1
Col_7: length 32.7
  Top w0.2: U1.37 126.42,80.19 126.42,67.48 126.83,67.07 144.93,67.07 v1(145.33,67.47)
Col_8: length 65.6
  Top w0.2: v1(164.53,67.27) 163.93,66.67 126.67,66.67 126.02,67.32 126.02,80.03 U1.36
  Bottom w0.25: SW40.1 156.72,16.66 156.72,13.04 158.42,11.35 165.23,11.35
Col_9: length 110.2
  Top w0.2: v1(187.96,75.65) 187.96,86.15 187.43,86.67 186.36,86.67 185.93,86.24 185.93,66.24 183.96,64.27 125.68,64.27 123.62,66.32 123.62,76.18 121.82,77.98 121.82,78.33 U1.27
Col_10: length 129
  Top w0.2: U1.28 124.02,76.88 124.02,66.49 125.84,64.67 183.8,64.67 185.53,66.41 185.53,86.41 186.2,87.07 207.83,87.07 210.01,84.9 v1(210.01,77.15)
Col_11: length 161.6
  Top w0.2: U1.29 124.42,77.67 124.42,66.66 126.01,65.07 183.63,65.07 185.13,66.58 185.13,86.58 186.03,87.47 227.43,87.47 229.06,85.85 v1(229.06,77.15)
  Bottom w0.25: 228.23,11.35 220.35,11.35 219.87,11.83 219.87,16.66 SW54.1
Col_12: length 166.7
  Top w0.2: U1.30 124.82,77.83 124.82,66.82 126.17,65.47 183.47,65.47 184.73,66.74 184.73,86.74 185.87,87.87 246.23,87.87 248.11,86 v1(248.11,77.15)
Col_13: length 186.1
  Top w0.2: v1(267.16,77.15) 267.16,86.85 265.73,88.27 185.7,88.27 184.33,86.91 184.33,66.91 183.3,65.87 126.34,65.87 125.22,66.99 125.22,78 U1.31
Col_14: length 205.5
  Top w0.2: U1.34 125.62,79.3 125.62,67.15 126.5,66.27 183.13,66.27 183.93,67.07 183.93,87.07 185.53,88.67 284.63,88.67 286.21,87.1 v1(286.21,77.15)
D+: length 14.4
  Top w0.2: v1(133.59,83.96) 133.59,83.98 133.11,84.45 R3.2 ; v1(133.11,82.69) 133.11,82.56 133.97,81.69 139.68,81.69 142.39,78.98 U4.6
  Bottom w0.2: v1(133.11,82.69) 133.59,83.17 v1(133.59,83.96)
D-: length 12
  Top w0.2: R4.2 133.27,83.47 133.75,82.99 133.75,82.47 134.13,82.09 139.84,82.09 141.05,80.88 U4.4
QSPI_SCLK: length 23.8
  Top w0.2: v1(132.26,86.69) 132.02,86.44 131.15,86.44 131.12,86.41 130.11,86.41 129.61,86.91 125.88,86.91 U1.52 ; 142.44,84.55 143.08,84.55 143.51,84.12 v1(143.71,84.12)
  Bottom w0.2: v1(132.26,86.69) 132.44,86.51 133.33,86.51 133.34,86.53 133.88,86.53 133.9,86.51 143.26,86.51 143.27,86.53 144.17,85.63 144.17,84.58 v1(143.71,84.12)
QSPI_SD0: length 22.7
  Top w0.2: 142.44,83.28 143.52,83.28 v1(143.69,83.12) ; v1(130.38,87.06) 130.13,87.31 125.71,87.31 U1.53
  Bottom w0.2: v1(130.38,87.06) 132.24,85.2 134.2,85.2 134.48,84.92 140.11,84.92 141.93,83.1 143.67,83.1 v1(143.69,83.12)
QSPI_SD1: length 25.7
  Top w0.2: U1.55 125.38,88.11 132.61,88.11 134.27,86.46 140.65,86.46 140.86,86.24 140.86,85.22 140.53,84.89 140.53,84.86 140.27,84.86 139.97,85.17 139.97,85.55 139.96,85.55 139.69,85.82 U3.2
QSPI_SD2: length 25.8
  Top w0.2: U3.3 138.18,84.55 138.53,84.2 138.53,83.45 138.98,83 140.14,83 140.39,83.25 140.39,84.14 139.35,85.18 134.23,85.18 133.92,85.49 133.92,86.19 132.4,87.71 125.55,87.71 U1.54
QSPI_SD3: length 21
  Top w0.2: 142.44,85.82 142.83,85.82 v1(143.47,85.18) ; v1(133.37,85.96) 133.29,86.04 131.31,86.04 131.28,86.01 129.95,86.01 129.45,86.51 126.05,86.51 U1.51
  Bottom w0.2: v1(143.47,85.18) 142.78,85.87 142.09,85.87 141.73,85.51 140.9,85.51 140.54,85.87 133.46,85.87 v1(133.37,85.96)
QSPI_SS: length 29.8
  Top w0.2: U3.1 135.22,87.09 140.34,87.09 140.54,87.29 140.54,87.56 140.33,87.76 134.05,87.76 v1(133.66,88.15) ; 119.61,88.69 119.68,88.63 122.05,88.63 v1(123.09,87.58) 123.67,87.01 U1.56
  Bottom w0.2: v1(123.09,87.58) 123.09,86.92 123.64,86.37 128.77,86.37 130.55,88.15 v1(133.66,88.15)
Row_0: length 39.6
  Top w0.2: v1(98.92,82.73) 98.92,82.83 102.69,86.59 104.78,86.59 105.9,85.47 115.03,85.47 115.49,85.02 118.77,85.02 U1.11
  Bottom w0.2: v1(127.23,73.97) v1(122.33,73.97) ; v1(98.93,76.37) 98.93,82.72 v1(98.92,82.73) ; v1(187.33,70.27) v1(182.43,70.27)
Row_1: length 59.9
  Top w0.2: v1(99.73,82.21) 99.73,83.07 102.85,86.19 104.61,86.19 105.73,85.07 114.87,85.07 115.32,84.62 118.6,84.62 U1.12 ; 125.63,57.07 125.63,63.75 124.06,65.32 D22.1
  Bottom w0.2: v1(99.73,82.21) 99.73,82.21 99.73,56.27 v1(99.33,55.87)
Row_2: length 65.3
  Top w0.2: U1.13 118.44,84.22 115.16,84.22 114.7,84.67 107.06,84.67 104.56,82.17 101.2,82.17 v1(100.53,81.5)
  Bottom w0.2: v1(100.53,81.5) 100.53,37.47 v1(99.83,36.77)
Row_3: length 152.4
  Top w0.2: D16.1 74.29,23.13 70.73,19.57 65.93,19.57 64.33,17.97 64.33,16.27 ; v1(101.32,80.9) 102.19,81.77 104.73,81.77 107.23,84.27 114.54,84.27 114.99,83.82 118.27,83.82 U1.14 ; 215.43,16.6 215.43,19.1 219.62,23.29 D44.1 ; 124.53,16.47 124.53,17.97 126.13,19.57 133.63,19.57 137.43,23.37 D28.1 137.43,25.17 138.13,25.87 159.33,25.87 160.13,25.07 D32.1
  Bottom w0.2: v1(101.32,80.9) 101.32,15.15 v1(100.83,14.67)
Net-(C2-Pad2): length 3
  Top w0.2: 110.16,81.25 109.66,81.25 108.63,82.28 108.61,82.26 107.55,82.26
Net-(D1-A): length 3.7
  Top w0.25: v1(20.43,79.69) 20.46,79.66 D1.2
Net-(D2-A): length 3.7
  Top w0.25: v1(20.43,60.64) 20.44,60.63 D2.2
Net-(D3-A): length 3.7
  Top w0.25: v1(20.43,41.59) 20.44,41.58 D3.2
Net-(D4-A): length 3.7
  Top w0.25: v1(20.43,19.54) 20.44,19.53 D4.2
Net-(D5-A): length 3.7
  Top w0.25: D5.2 39.49,79.68 v1(39.48,79.69)
Net-(D6-A): length 3.7
  Top w0.25: D6.2 39.49,60.64 v1(39.48,60.64)
Net-(D7-A): length 3.7
  Top w0.25: v1(39.48,41.59) 39.49,41.58 D7.2
Net-(D8-A): length 3.7
  Top w0.25: D8.2 39.49,19.54 v1(39.48,19.54)
Net-(D9-A): length 3.7
  Top w0.25: v1(58.53,79.69) 58.54,79.68 D9.2
Net-(D10-A): length 3.7
  Top w0.25: v1(58.53,60.64) 58.54,60.63 D10.2
Net-(D11-A): length 3.7
  Top w0.25: v1(58.53,41.59) 58.54,41.58 D11.2
Net-(D12-A): length 3.7
  Top w0.25: D12.2 58.54,19.53 v1(58.53,19.54)
Net-(D13-A): length 3.7
  Top w0.25: D13.2 77.6,79.67 v1(77.58,79.69)
Net-(D14-A): length 3.7
  Top w0.25: v1(77.58,60.64) 77.6,60.65 D14.2
Net-(D15-A): length 3.7
  Top w0.25: v1(77.58,41.59) 77.59,41.58 D15.2
Net-(D16-A): length 16
  Top w0.25: D16.2 77.59,19.55 v1(77.58,19.54)
  Bottom w0.25: SW18.2 84.67,21.97 81.85,21.97 79.42,19.54 v1(77.58,19.54)
Net-(D17-A): length 3.7
  Top w0.25: v1(96.63,79.69) 96.64,79.68 D17.2
Net-(D18-A): length 3.7
  Top w0.25: D18.2 96.64,60.63 v1(96.63,60.64)
Net-(D19-A): length 3.7
  Top w0.25: v1(96.63,41.59) 96.64,41.59 D19.2
Net-(D20-A): length 3.6
  Top w0.25: v1(96.63,19.54) 96.66,19.51 D20.2
Net-(D21-A): length 7.2
  Top w0.2: D21.2 122.32,74.86 122.13,74.67 v1(121.63,74.67)
  Bottom w0.2: SW23.2 120.32,78.19 120.63,77.87 120.63,76.23 121.63,75.23 v1(121.63,74.67)
Net-(D22-A): length 14.1
  Top w0.2: v1(118.68,68.66) 118.72,68.62 D22.2
  Bottom w0.2: SW24.2 118.68,60.82 119.73,61.87 119.73,65.17 118.68,66.22 v1(118.68,68.66)
Net-(D23-A): length 14.2
  Top w0.2: v1(118.68,40.09) 118.69,40.09 D23.2
  Bottom w0.2: v1(118.68,40.09) 118.68,42.12 119.93,43.37 119.93,46.57 118.68,47.82 SW68.2
Net-(D24-A): length 14.6
  Top w0.2: v1(118.68,21.04) 119.7,20.02 D24.2
  Bottom w0.2: v1(118.68,21.04) 118.68,23.12 119.83,24.27 119.83,27.47 118.68,28.62 SW69.2
Net-(D25-A): length 6.6
  Top w0.2: v1(140.73,79.69) 140.73,78.18 140.84,78.07 143.71,78.07 144.39,77.39 D25.2
Net-(D26-A): length 6.5
  Top w0.2: D26.2 144.39,59.69 143.45,60.64 v1(140.73,60.64)
Net-(D27-A): length 6.5
  Top w0.2: v1(140.76,41.54) 143.48,41.54 144.43,40.6 144.43,38.11
Net-(D28-A): length 16
  Top w0.25: D28.2 v1(140.73,19.54)
  Bottom w0.25: SW31.2 147.82,21.97 145.98,21.97 143.54,19.54 v1(140.73,19.54)
Net-(D29-A): length 6.5
  Top w0.2: 163.47,76.29 163.47,78.78 162.52,79.72 v1(159.8,79.72)
Net-(D30-A): length 6.5
  Top w0.2: v1(159.85,60.55) 162.57,60.55 163.52,59.61 163.52,57.12
Net-(D31-A): length 6.5
  Top w0.2: v1(159.82,41.59) 162.54,41.59 163.49,40.65 163.49,38.16
Net-(D32-A): length 7
  Top w0.25: v1(159.78,19.54) 161.54,19.54 163.43,21.43 D32.2
Net-(D33-A): length 6.5
  Top w0.2: 182.53,76.27 182.53,78.76 181.58,79.7 v1(178.86,79.7)
Net-(D34-A): length 6.5
  Top w0.2: v1(178.85,60.62) 181.57,60.62 182.52,59.68 182.52,57.19
Net-(D35-A): length 6.5
  Top w0.2: v1(178.88,41.58) 181.6,41.58 182.55,40.64 182.55,38.15
Net-(D36-A): length 15.7
  Top w0.25: v1(169.31,19.54) 171.63,19.54 173.84,17.32 177.67,17.32 178.83,18.48 v1(178.83,19.54) 178.86,19.51 D36.2
Net-(D37-A): length 3.7
  Top w0.2: D37.2 200.9,78.17 v1(200.88,78.19)
Net-(D38-A): length 14.1
  Top w0.2: v1(200.88,59.14) 200.89,59.14 D38.2
  Bottom w0.2: SW70.2 200.88,66.75 202.03,65.6 202.03,62.54 200.88,61.39 v1(200.88,59.14)
Net-(D39-A): length 14.3
  Top w0.2: D39.2 200.89,40.08 v1(200.88,40.09)
  Bottom w0.2: v1(200.88,40.09) 200.88,41.83 202.25,43.2 202.25,46.14 200.88,47.51 SW71.2
Net-(D40-A): length 15.4
  Top w0.2: v1(200.88,21.04) 203.55,21.04 204.48,20.1 D40.2
  Bottom w0.2: SW72.2 200.88,28.3 202.25,26.93 202.25,24.58 200.88,23.21 v1(200.88,21.04)
Net-(D41-A): length 3.7
  Top w0.25: D41.2 222.94,79.68 v1(222.93,79.69)
Net-(D42-A): length 3.7
  Top w0.25: v1(222.93,60.64) 222.94,60.63 D42.2
Net-(D43-A): length 3.7
  Top w0.25: v1(222.93,41.59) 222.95,41.57 D43.2
Net-(D44-A): length 4.5
  Top w0.25: D44.2 222.92,19.54 v1(222.93,19.54)
Net-(D45-A): length 3.7
  Top w0.25: D45.2 241.99,79.68 v1(241.98,79.69)
Net-(D46-A): length 3.7
  Top w0.25: v1(241.98,60.64) 241.99,60.63 D46.2
Net-(D47-A): length 3.7
  Top w0.25: D47.2 242,41.6 v1(241.98,41.59)
Net-(D48-A): length 14.8
  Top w0.2: D48.2 241.99,19.53 v1(241.98,19.54) 240,17.55 237.07,17.55 235.09,19.54 v1(232.46,19.54)
Net-(D49-A): length 3.7
  Top w0.25: v1(261.03,79.69) 261.04,79.68 D49.2
Net-(D50-A): length 3.7
  Top w0.25: v1(261.03,60.64) 261.04,60.63 D50.2
Net-(D51-A): length 3.7
  Top w0.25: v1(261.03,41.59) 261.04,41.58 D51.2
Net-(D52-A): length 3.7
  Top w0.25: D52.2 261.04,19.53 v1(261.03,19.54)
Net-(D53-A): length 3.7
  Top w0.25: v1(280.08,79.69) 280.09,79.68 D53.2
Net-(D54-A): length 3.7
  Top w0.25: v1(280.08,60.64) 280.09,60.63 D54.2
Net-(D55-A): length 3.7
  Top w0.25: v1(280.08,41.59) 280.09,41.58 D55.2
Net-(D56-A): length 3.7
  Top w0.25: v1(280.08,19.54) 280.09,19.54 D56.2
Net-(D57-A): length 3.7
  Top w0.25: D57.2 299.14,79.68 v1(299.13,79.69)
Net-(D58-A): length 3.7
  Top w0.25: v1(299.13,60.64) 299.14,60.63 D58.2
Net-(D59-A): length 3.7
  Top w0.25: v1(299.13,41.59) 299.14,41.58 D59.2
Net-(D60-A): length 3.7
  Top w0.25: v1(299.13,19.54) 299.14,19.53 D60.2
Net-(J1-Pin_3): length 25.5
  Top w0.2: U1.25 119.53,77.17 v1(119.53,76.39)
  Bottom w0.2: J1.3 120.83,59.29 120.83,73.99 119.53,75.29 v1(119.53,76.39)
Net-(J1-Pin_4): length 28.9
  Top w0.2: v1(118.64,76.39) 118.64,76.84 U1.24
  Bottom w0.2: v1(118.64,76.39) 118.64,75.62 120.43,73.82 120.43,57.15 J1.4
Net-(J2-CC1): length 1.3
  Top w0.2: 155.19,83.4 155.19,82.13 R7.1
Net-(J2-CC2): length 1.4
  Top w0.2: 152.19,83.4 152.19,82.09 R8.1
Net-(J2-D+-PadA6): length 14.8
  Top w0.2: 154.29,81.36 154.29,82.52 154.19,82.62 154.19,83.4 ; v1(154.39,81.3) 152.84,79.74 147.8,79.74 147.04,78.98 U4.1 ; v1(153.04,82.02) 153.19,82.17 153.19,83.4
  Bottom w0.2: v1(153.04,82.02) 153.61,82.02 154.29,81.35
Net-(J2-D--PadA7): length 13.5
  Top w0.2: U4.3 147.03,80.88 147.77,80.14 152.08,80.14 153.69,81.75 153.69,83.32 J2.A7 153.67,84.17 153.87,84.37 154.5,84.37 154.69,84.19 154.69,83.4
Net-(R5-Pad2): length 9.4
  Top w0.2: 118.55,88.65 117.39,88.65 116.69,87.95 v1(116.69,87.67)
  Bottom w0.2: 117.34,84.37 117.33,84.36 SW41.2 ; 117.34,84.37 116.33,85.37 116.33,87.31 v1(116.69,87.67) ; 117.34,84.37 117.34,83.12
Net-(U1-RUN): length 34.3
  Top w0.2: v1(111.23,86.17) 111.18,86.12 v1(106.57,86.12) ; R1.2 120.43,77.51 U1.26 122.53,79.61 v1(122.54,79.61) ; 112.17,86.19 111.25,86.19
  Bottom w0.2: v1(122.54,79.61) 121.43,80.72 115.55,80.72 114.8,79.97 106.25,79.97 105.88,80.34 105.88,85.43 v1(106.57,86.12) ; SW1.2 v1(111.23,86.17)
Net-(U1-USB_DM): length 5.8
  Top w0.2: R4.1 131.34,83.75 128.49,83.75 127.61,84.63 126.99,84.63 U1.46
Net-(U1-USB_DP): length 6.2
  Top w0.2: U1.47 126.82,85.03 127.78,85.03 128.65,84.15 131.16,84.15 131.6,84.59
Net-(U1-XIN): length 10.2
  Top w0.2: 111.91,82.65 114.08,82.65 114.45,83.02 117.19,83.02 117.98,82.22 117.98,81.52 119.23,80.27 119.81,80.27 U1.20
Net-(U1-XOUT): length 16.6
  Top w0.2: U1.21 119.97,79.87 119.07,79.87 117.58,81.36 117.58,81.92 116.89,82.62 114.61,82.62 114.34,82.35 114.34,80.76 113.62,80.04 109.07,80.04 108.41,80.69 R2.2

## Copper pours and planes (outline as drawn; the poured copper is in the pictures)
+3.3V on Bottom: 0.07,80.22 308.16,80.22 308.19,77.47 0.07,77.47
+3.3V on Bottom: -0.26,5.03 307.83,5.03 307.86,2.16 -0.26,2.16
GND on Bottom: -0.03,90.1 308.13,89.99 308.13,80.56 -0.03,80.66
(no net) on Bottom: outline of 179 points within 2.61,5.87 23.5,76.87
(no net) on Bottom: outline of 179 points within 223.17,5.8 244.06,76.8
(no net) on Bottom: outline of 142 points within 184.66,5.92 200.66,76.92
(no net) on Bottom: outline of 179 points within 242.22,5.8 263.11,76.8
(no net) on Bottom: outline of 179 points within 40.71,5.87 61.6,76.87
(no net) on Bottom: outline of 179 points within 59.76,5.87 80.65,76.87
(no net) on Bottom: outline of 179 points within 21.66,5.87 42.55,76.87
(no net) on Bottom: outline of 142 points within 144.96,5.92 160.96,76.92
(no net) on Bottom: outline of 179 points within 280.32,5.8 301.21,76.8
(no net) on Bottom: outline of 179 points within 204.12,5.8 225.01,76.8
(no net) on Bottom: outline of 142 points within 104.63,5.97 120.63,76.97
(no net) on Bottom: outline of 142 points within 164.01,5.92 180.01,76.92
(no net) on Bottom: outline of 179 points within 78.81,5.87 99.7,76.87
(no net) on Bottom: outline of 142 points within 125.91,5.92 141.91,76.92
(no net) on Bottom: outline of 179 points within 261.27,5.8 282.16,76.8
Col_0 on Bottom: 8.03,75.86 3.18,41.91 3.17,41.78 3.15,41.65 3.15,41.52 3.15,41.39 3.15,41.26 3.15,41.12 3.17,40.99 3.18,40.86 8.03,6.91 8.64,6.39 22.58,6.39 23.03,6.91 18.18,40.86 18.16,40.99 18.15,41.12 18.14,41.26 18.14,41.39 18.14,41.52 18.15,41.65 18.16,41.78 18.18,41.91 23.03,75.86 22.58,76.39 8.64,76.39
Col_1 on Bottom: 27.08,75.86 22.23,41.91 22.22,41.78 22.2,41.65 22.2,41.52 22.2,41.39 22.2,41.26 22.2,41.12 22.22,40.99 22.23,40.86 27.08,6.91 27.69,6.39 41.63,6.39 42.08,6.91 37.23,40.86 37.21,40.99 37.2,41.12 37.19,41.26 37.19,41.39 37.19,41.52 37.2,41.65 37.21,41.78 37.23,41.91 42.08,75.86 41.63,76.39 27.69,76.39
Col_2 on Bottom: 46.13,75.86 41.28,41.91 41.27,41.78 41.25,41.65 41.25,41.52 41.25,41.39 41.25,41.26 41.25,41.12 41.27,40.99 41.28,40.86 46.13,6.91 46.74,6.39 60.68,6.39 61.13,6.91 56.28,40.86 56.26,40.99 56.25,41.12 56.24,41.26 56.24,41.39 56.24,41.52 56.25,41.65 56.26,41.78 56.28,41.91 61.13,75.86 60.68,76.39 46.74,76.39
Col_3 on Bottom: 65.18,75.86 60.33,41.91 60.32,41.78 60.3,41.65 60.3,41.52 60.3,41.39 60.3,41.26 60.3,41.12 60.32,40.99 60.33,40.86 65.18,6.91 65.79,6.39 79.73,6.39 80.18,6.91 75.33,40.86 75.31,40.99 75.3,41.12 75.29,41.26 75.29,41.39 75.29,41.52 75.3,41.65 75.31,41.78 75.33,41.91 80.18,75.86 79.73,76.39 65.79,76.39
Col_4 on Bottom: 84.23,75.86 79.38,41.91 79.37,41.78 79.35,41.65 79.35,41.52 79.35,41.39 79.35,41.26 79.35,41.12 79.37,40.99 79.38,40.86 84.23,6.91 84.84,6.39 98.78,6.39 99.23,6.91 94.38,40.86 94.36,40.99 94.35,41.12 94.34,41.26 94.34,41.39 94.34,41.52 94.35,41.65 94.36,41.78 94.38,41.91 99.23,75.86 98.78,76.39 84.84,76.39
Col_5 on Bottom: 120.22,75.92 120.22,6.92 119.72,6.42 105.72,6.42 105.22,6.92 105.22,75.92 105.72,76.42 119.72,76.42
Col_6 on Bottom: 141.41,75.92 141.41,6.92 140.91,6.42 126.91,6.42 126.41,6.92 126.41,75.92 126.91,76.42 140.91,76.42
Col_7 on Bottom: 160.46,75.92 160.46,6.92 159.96,6.42 145.96,6.42 145.46,6.92 145.46,75.92 145.96,76.42 159.96,76.42
Col_8 on Bottom: 179.51,75.92 179.51,6.92 179.01,6.42 165.01,6.42 164.51,6.92 164.51,75.92 165.01,76.42 179.01,76.42
Col_9 on Bottom: 200.07,75.92 200.07,6.92 199.57,6.42 185.57,6.42 185.07,6.92 185.07,75.92 185.57,76.42 199.57,76.42
Col_10 on Bottom: 219.68,75.86 224.53,41.91 224.55,41.78 224.56,41.65 224.57,41.52 224.57,41.39 224.57,41.26 224.56,41.12 224.55,40.99 224.53,40.86 219.68,6.91 219.08,6.39 205.14,6.39 204.69,6.91 209.54,40.86 209.55,40.99 209.57,41.12 209.57,41.26 209.58,41.39 209.57,41.52 209.57,41.65 209.55,41.78 209.54,41.91 204.69,75.86 205.14,76.39 219.08,76.39
Col_11 on Bottom: 238.73,75.86 243.58,41.91 243.6,41.78 243.61,41.65 243.62,41.52 243.62,41.39 243.62,41.26 243.61,41.12 243.6,40.99 243.58,40.86 238.73,6.91 238.13,6.39 224.19,6.39 223.74,6.91 228.59,40.86 228.6,40.99 228.62,41.12 228.62,41.26 228.63,41.39 228.62,41.52 228.62,41.65 228.6,41.78 228.59,41.91 223.74,75.86 224.19,76.39 238.13,76.39
Col_12 on Bottom: 257.78,75.86 262.63,41.91 262.65,41.78 262.66,41.65 262.67,41.52 262.67,41.39 262.67,41.26 262.66,41.12 262.65,40.99 262.63,40.86 257.78,6.91 257.18,6.39 243.24,6.39 242.79,6.91 247.64,40.86 247.65,40.99 247.67,41.12 247.67,41.26 247.68,41.39 247.67,41.52 247.67,41.65 247.65,41.78 247.64,41.91 242.79,75.86 243.24,76.39 257.18,76.39
Col_13 on Bottom: 276.83,75.86 281.68,41.91 281.7,41.78 281.71,41.65 281.72,41.52 281.72,41.39 281.72,41.26 281.71,41.12 281.7,40.99 281.68,40.86 276.83,6.91 276.23,6.39 262.29,6.39 261.84,6.91 266.69,40.86 266.7,40.99 266.72,41.12 266.72,41.26 266.73,41.39 266.72,41.52 266.72,41.65 266.7,41.78 266.69,41.91 261.84,75.86 262.29,76.39 276.23,76.39
Col_14 on Bottom: 295.88,75.86 300.73,41.91 300.75,41.78 300.76,41.65 300.77,41.52 300.77,41.39 300.77,41.26 300.76,41.12 300.75,40.99 300.73,40.86 295.88,6.91 295.28,6.39 281.34,6.39 280.89,6.91 285.74,40.86 285.75,40.99 285.77,41.12 285.77,41.26 285.78,41.39 285.77,41.52 285.77,41.65 285.75,41.78 285.74,41.91 280.89,75.86 281.34,76.39 295.28,76.39
Row_0 on Top: 0.03,77.22 308.27,77.22 308.27,67.77 0.03,67.77
Row_1 on Top: 0.11,58.04 308.36,58.04 308.36,48.59 0.11,48.59
Row_2 on Top: 0.1,39.02 308.49,39.02 308.49,29.57 0.1,29.57
Row_3 on Top: 0.08,16.9 308.37,16.9 308.37,7.45 0.08,7.45
